# Altium PCB PCB_UDC_PlacaControle_V2.0.PcbDoc (part 3 of 7)
Units mm, origin at the board's own origin, x right, y up, seen from the top; angles counter-clockwise.
Board outline 161.76 x 100.25 mm, 6 copper layers (Top Layer, GND, Signal 1, Signal 2, VCC, Bottom Layer); 548 components, 515 nets, 2193 pads, 1225 vias.
Unrouted connection lines stored in the file: 7.
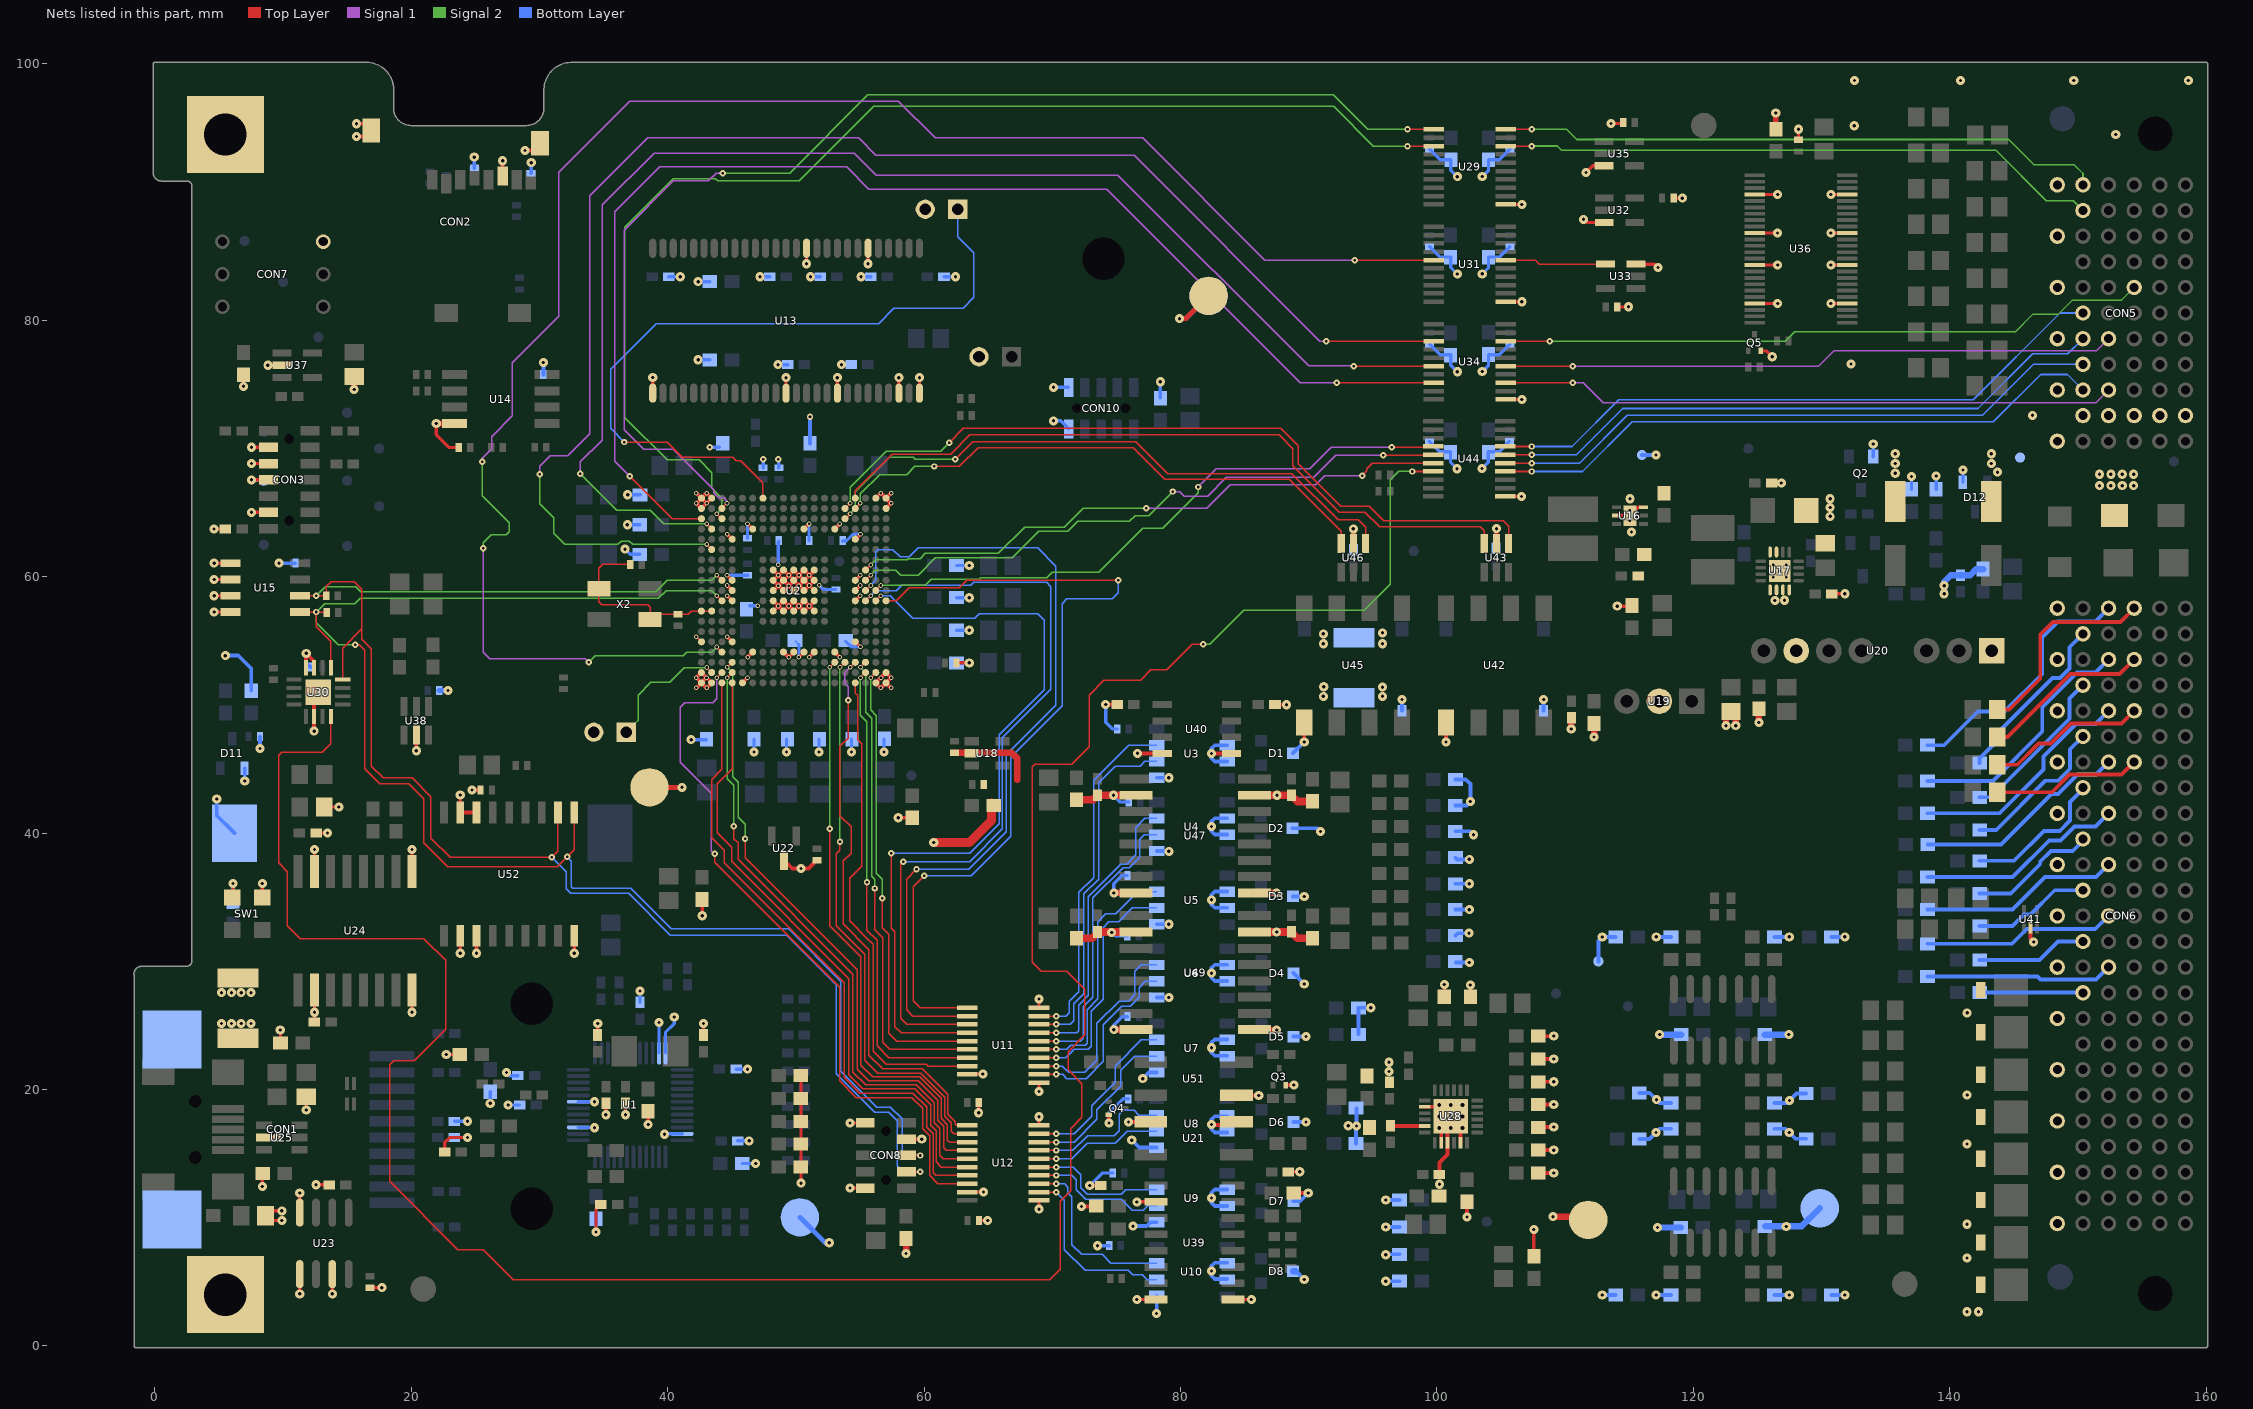
[diagram p7: the nets of this part, all layers, seen from the top]

## Via types
v1: diameter 0.711, hole 0.254, Top Layer to Bottom Layer, tented both sides, 600 vias
v2: diameter 0.5, hole 0.2, Top Layer to Bottom Layer, tented both sides, 404 vias
v3: diameter 0.36, hole 0.2, Top Layer to Bottom Layer, tented both sides, 212 vias
v4: diameter 0.5, hole 0.2, Top Layer to Bottom Layer, tented top, 5 vias
v5: diameter 0.5, hole 0.254, Top Layer to Bottom Layer, tented both sides, 2 vias
v6: diameter 0.5, hole 0.2, Top Layer to Bottom Layer, 2 vias

## Nets (pads, with @x,y where several pads share a name; then routed paths per layer and width w, separated by ;. In a path a pad name is that pad's centre, name@x,y a point inside that pad or via, vN(x,y) a via of type N, cw(c..) or ccw(c..) an arc to the next point about the centre after c; other vN are vias at no path point) (continued)
GND: BT1.- C1.1 C2.1 C3.1 C4.1 C5.1 C6.1 C7.1 C8.1 C9.1 C10.1 C11.1 C12.1 C13.1 C14.1 C15.1 C16.1 C17.1 C18.1 C23.1 C24.1 C29.1 C30.1 C35.1 C36.1 C41.1 C42.1 C43.1 C44.1 C45.1 C46.1 C47.1 C48.1 C49.1 C50.1 C51.1 C52.1 C53.1 C54.1 C55.1 C56.1 C57.1 C58.2 C59.2 C60.1 C61.1 C62.1 C63.1 C64.1 C65.1 C66.1 C67.1 C68.1 C69.1 C70.1 C75.1 C76.1 C77.1 C78.1 C79.1 C80.1 C81.1 C82.1 C83.1 C84.1 C85.1 C86.1 C87.1 C88.1 C89.1 C90.1 C91.1 C92.1 C93.1 C94.1 C95.1 C96.1 C97.1 C98.1 C99.1 C100.1 C101.1 C102.1 C103.1 C104.1 C105.1 C109.1 C110.1 C111.1 C117.1 C147.1 C148.1 C149.1 C150.1 C151.1 C152.1 C153.1 C154.1 C155.1 C156.1 C157.1 C158.1 C159.1 C160.1 C161.1 C162.1 C163.1 C164.1 C165.1 C166.1 C167.1 C168.1 C169.1 C172.1 C175.1 C177.1 C178.1 C179.1 C182.1 C183.1 C186.1 C187.1 C188.1 C189.1 C190.1 C191.1 C192.1 CON2.6 CON2.9 CON3.4 CON3.8 CON3.10 CON3.12 CON5.A10 CON5.B10 CON5.C10 CON5.D10 CON5.E10 CON5.Mec1 CON5.Mec2 CON5.Mec3 CON5.Mec4 CON5.Mec5 CON5.Mec6 CON7.6 CON8.1 CON8.4 CON8.9 CON9.2 CON10.9 CON10.10 CON11.2 D10.A D11.1 D12.1 pad.0@38.583,43.572 pad.0@50.317,10.033 pad.0@82.194,81.915 Q2.2 Q4.2 Q5.2 R16.2 R30.2 R31.2 R32.2 R33.2 R34.2 R35.2 R66.2 R70.2 R72.2 R81.2 R82.2 R144.2 R145.2 SW1.2 TP1.2 TP4.1 TP18.1 TP21.1 U1.15 U1.19 U1.35 U1.36 U1.47 U2.A1 U2.A2 U2.A15 U2.A18 U2.A19 U2.B1 U2.B19 U2.D6 U2.D8 U2.D9 U2.D10 U2.D11 U2.D14 U2.E4 U2.E16 U2.E19 U2.H8 U2.H9 U2.H10 U2.H11 U2.H12 U2.J4 U2.J8 U2.J9 U2.J10 U2.J11 U2.J12 U2.J16 U2.K4 U2.K8 U2.K9 U2.K10 U2.K11 U2.K12 U2.K16 U2.L4 U2.L8 U2.L9 U2.L10 U2.L11 U2.L12 U2.L16 U2.M8 U2.M9 U2.M10 U2.M11 U2.M12 U2.R4 U2.R16 U2.T6 U2.T9 U2.T14 U2.V1 U2.V19 U2.W1 U2.W2 U2.W18 U2.W19 U3.5 U4.5 U5.5 U6.5 U7.5 U8.5 U9.5 U10.5 U11.1 U11.10 U11.19 U12.1 U12.10 U12.19 U13.6 U13.12 U13.28 U13.41 U13.46 U13.52 U13.54 U14.4 U15.1 U15.2 U15.3 U15.4 U16.2 U16.6 U16.7 U17.5 U17.6 U17.7 U17.8 U17.15 U17.16 U17.17 U18.2 U20.1 U21.3 U22.3 U23.5 U23.7 U24.9 U24.15 U29.11 U30.6 U30.15 U30.16 U31.11 U32.3 U33.3 U34.11 U35.3 U36.4 U36.10 U36.15 U36.21 U36.28 U36.34 U36.39 U36.45 U37.2 U38.2 U39.2 U39.8 U40.4 U43.2 U44.11 U46.2 U47.2 U47.8 U49.2 U49.8 U52.2 U52.3 U52.9 U52.16 U52.17 | length 376.7
  Top Layer w0.102: v3(42.242,55.321) U2.E19@42.635,54.928
  Top Layer w0.254: v1(4.618,63.729) R82.2@5.507,63.729 ; v1(4.623,57.252) U15.4@5.911,57.252 ; v1(4.623,58.522) U15.3@5.911,58.522 ; v1(4.623,59.792) U15.2@5.911,59.792 ; v1(4.623,61.062) U15.1@5.911,61.062 ; SW1.2@6.096,35.031 v1(6.096,36.068) ; v1(7.544,65.024) CON3.4@8.875,65.024 ; v1(7.544,67.564) CON3.8@8.875,67.564 ; v1(7.544,68.834) CON3.10@8.875,68.834 ; v1(7.544,70.104) CON3.12@8.875,70.104 ; SW1.2@8.382,34.987 v1(8.382,36.068) ; v1(11.303,4.064) U23.5@11.303,5.601 ; U24.15@12.446,37.01 v1(12.446,38.735) ; C111.1@12.573,40.005 v1(13.462,40.005) ; C110.1@13.203,42.037 v1(14.351,42.037) ; v1(13.843,4.064) U23.7@13.843,5.601 ; C109.1@16.815,4.547 v1(17.704,4.547) ; U24.9@20.066,37.01 v1(20.066,38.735) ; v1(20.396,46.431) U38.2@20.396,47.65 ; v1(21.946,71.958) 21.946,71.095 22.962,70.079 R81.2@23.713,70.079 ; C3.1@22.606,15.113 22.606,15.875 22.987,16.256 v1(24.384,16.256) ; v1(22.733,22.733) R35.2@23.775,22.733 ; v1(34.417,8.89) 34.417,10.668 C4.1@34.798,11.049 ; C5.1@34.544,24.257 v1(34.544,25.146) ; v1(35.179,18.034) C13.1@35.179,18.923 ; v1(36.703,18.034) C12.1@36.703,18.923 ; v1(38.481,17.272) C11.1@38.481,18.314 ; U13.28@38.837,74.326 v1@38.837,75.52 ; v1(42.697,33.56) R144.2@42.697,34.799 ; C6.1@42.799,24.257 v1(42.799,25.146) ; v3@44.641,60.122 U2.L16@45.035,59.728 ; v3(46.228,64.135) U2.T14@46.635,63.728 ; U13.41@49.237,74.326 v1(49.237,75.534) ; v3(50.241,53.735) U2.D9@50.635,54.128 ; v1@50.393,12.472 R30.2@50.393,13.97 R31.2@50.393,15.748 R32.2@50.393,17.526 R33.2@50.393,19.304 R34.2@50.393,21.082 ; U2.T9@50.635,63.728 v3(51.029,64.121) ; v1(50.837,84.418) U13.12@50.837,85.626 ; U13.46@53.237,74.326 v1(53.237,75.534) ; v1(54.229,12.319) CON8.9@55.408,12.319 ; v1(54.229,17.399) CON8.1@55.408,17.399 ; U2.E4@54.635,54.928 55.029,54.534 v3(55.042,54.534) ; v1(55.637,84.418) U13.6@55.637,85.626 ; U13.52@58.037,74.326 v1(58.037,75.534) ; CON8.4@58.638,16.129 v1(59.817,16.129) ; U13.54@59.637,74.326 v1(59.637,75.534) ; C104.1@62.535,53.289 v1(63.525,53.289) ; U11.19@63.906,21.209 v1(64.584,21.209) ; U12.19@63.957,12.014 v1(64.635,12.014) ; v1(64.262,18.195) C41.1@64.262,18.872 ; C42.1@64.287,9.779 v1(64.965,9.779) ; v1(68.967,10.672) U12.1@68.967,11.35 ; U12.10@68.967,17.2 v1(68.967,17.877) ; v1(68.967,19.857) U11.1@68.967,20.534 ; U11.10@68.967,26.384 v1(68.967,27.062) ; v1(76.601,3.624) U39.8@78.084,3.624 ; v1@76.608,11.244 U39.2@78.084,11.244 ; U44.11@105.34,66.265 v1(106.604,66.265) ; U34.11@105.365,73.834 v1(106.629,73.834) ; U31.11@105.365,81.454 v1(106.629,81.454) ; U29.11@105.365,89.048 v1(106.629,89.048) ; v1(111.438,87.884) 111.677,87.645 U32.3@113.055,87.645 ; v1(111.633,91.542) 112.156,92.065 U35.3@113.03,92.065 ; v1(113.589,95.352) 114.427,95.352 C156.1@114.529,95.453 ; v1(114.071,57.709) 115.19,57.709 R145.2@115.24,57.759 ; C161.1@114.071,81.05 v1@114.95,81.05 ; v6(115.066,64.37) U16.7@115.066,64.77 115.716,65.42 U16.6@116.116,65.42 ; U33.3@115.545,84.388 116.984,84.388 v1(117.246,84.125) ; C162.1@118.491,89.535 v1(119.151,89.535) ; U36.34@124.79,86.819 v1(126.581,86.819) ; U36.45@124.797,81.319 v1(126.588,81.319) ; U36.39@124.797,84.319 v1(126.588,84.319) ; U36.28@124.797,89.814 v1(126.588,89.814) ; Q5.2@125.298,77.618 125.705,77.618 v1(126.162,77.161) ; C62.1@126.111,67.31 v1(126.873,67.31) ; C163.1@128.219,94.078 v1(128.219,94.91) ; v1(130.733,81.319) U36.4@131.997,81.319 ; v1(130.733,84.319) U36.10@131.997,84.319 ; v1(130.733,86.819) U36.15@131.997,86.819 ; v1(130.733,89.819) U36.21@131.997,89.819 ; C63.1@130.81,58.674 v1(131.826,58.674)
  Top Layer w0.3: v1(6.909,74.854) C166.1@6.909,75.769 ; v1(8.814,76.505) U37.2@9.906,76.505 ; U30.16@11.776,52.903 11.776,53.991 v1(11.811,54.026) 12.426,53.411 U30.15@12.426,52.903 ; v1(12.426,47.955) U30.6@12.426,49.103 U30.6@12.426,50.678 ; v1(15.723,94.336) 16.402,94.336 CON2.9@16.88,94.814 16.351,95.343 v1(15.723,95.343) ; v1(23.825,30.632) U52.2@23.825,32.005 ; v1(23.825,42.977) U52.17@23.825,41.605 U52.16@25.095,41.605 ; v1(24.74,43.377) 25.393,43.377 C186.1@25.4,43.383 ; v1(25.095,30.632) U52.3@25.095,32.005 ; v1(27.127,92.456) 27.127,91.267 CON2.6@27.13,91.264 ; v1(28.88,93.243) CON2.9@29.572,93.243 ; CON2.9@30.03,93.814 CON2.9@30.499,93.345 ; v1(32.715,30.632) U52.9@32.715,32.005 ; v3(42.242,51.335) U2.A19@42.635,51.728 42.242,52.121 v3(42.242,52.135) U2.B19@42.635,52.528 v3(43.028,52.135) U2.A19@42.635,51.742 ; v3(42.242,66.521) U2.W19@42.635,66.128 ; U2.V19@42.635,65.328 v3(42.242,65.721) U2.W19@42.635,66.114 ; U2.A19@42.648,51.728 v3(43.042,51.335) U2.A18@43.435,51.728 ; U2.V19@42.648,65.342 v3(43.042,65.735) ; v3@43.053,52.121 U2.A18@43.446,51.728 ; v3(44.642,55.321) U2.E16@45.035,54.928 ; v3(44.642,58.521) U2.J16@45.035,58.128 ; v3(44.642,59.321) U2.K16@45.035,58.928 ; v3(44.642,63.321) U2.R16@45.035,62.928 ; U2.A15@45.835,51.728 v3(46.228,52.121) ; v3(46.242,53.735) U2.D14@46.635,54.128 ; U2.J12@48.235,58.128 v3(48.642,57.722) ; U2.M12@48.235,60.528 v3(48.642,60.122) ; U2.H12@48.235,57.316 v3(48.642,57.722) ; U2.K12@48.236,58.903 v3(48.642,59.309) v3(49.455,60.121) ; U2.D11@49.035,54.128 49.428,53.735 v3(49.442,53.735) U2.D10@49.835,54.128 ; U2.H11@49.047,57.315 v3(48.642,57.722) ; U2.H11@49.048,57.315 v3(49.455,57.721) ; U22.3@49.073,37.887 49.723,37.236 v1(50.394,37.236) 50.978,37.236 C105.1@51.638,37.897 ; v3(49.455,57.721) U2.H10@49.86,57.314 ; v3(49.455,57.721) 49.048,58.127 v3(48.642,57.722) ; v3(49.455,60.121) 49.86,59.714 v3(49.454,59.309) U2.K10@49.86,58.902 ; v3(49.455,60.121) 49.048,60.527 v3(48.642,60.122) ; v3(49.455,57.721) U2.J10@49.861,58.127 ; v3(49.455,60.121) U2.M10@49.861,60.527 ; U2.H10@49.835,57.316 v3(50.242,57.722) ; U2.J10@49.835,58.128 v3(50.242,57.722) ; U2.M10@49.835,60.528 v3(50.242,60.122) ; U2.K10@49.836,58.903 v3(50.242,59.309) v3(51.055,60.121) 50.648,60.527 v3(50.242,60.122) ; U2.K9@50.635,58.916 v3(51.042,59.322) ; U2.L9@50.635,59.728 v3(51.042,59.322) ; U2.H9@50.647,57.315 v3(50.242,57.722) ; U2.K9@50.648,58.903 v3(50.242,59.309) 49.835,59.716 v3(50.242,60.122) ; U2.L9@50.647,59.715 v3(50.242,60.122) ; U2.H9@50.648,57.315 v3(51.055,57.721) 50.648,58.127 v3(50.242,57.722) ; v3(51.042,53.735) U2.D8@51.435,54.128 ; U2.K8@51.447,58.915 v3(51.042,59.322) ; U2.L8@51.448,59.727 v3(51.042,59.322) ; U2.H8@51.46,57.314 v3(51.055,57.721) U2.J8@51.461,58.127 ; U2.L8@51.46,59.714 v3(51.055,60.121) U2.M8@51.461,60.527 ; U2.D6@53.035,54.128 v3(53.428,53.735) ; U2.T6@53.035,63.728 v3(53.428,64.121) ; U2.J4@54.635,58.128 v3(55.028,58.521) ; U2.K4@54.635,58.928 v3(55.028,59.321) ; U2.L4@54.635,59.728 v3(55.028,60.121) ; U2.R4@54.674,62.954 v3@55.067,63.348 ; U2.A2@56.235,51.728 v3(56.628,51.335) U2.A1@57.021,51.728 ; U2.W2@56.235,66.128 v3(56.628,66.521) U2.W1@57.021,66.128 ; U2.A2@56.248,51.742 v3(56.642,52.135) U2.B1@57.035,52.528 ; U2.B1@57.035,52.514 v3(57.428,52.121) U2.A1@57.035,51.728 v3(57.428,51.335) ; U2.V1@57.035,65.328 v3(57.428,65.721) U2.W1@57.035,66.114 ; U2.W1@57.035,66.128 v3(57.428,66.521) ; v1(57.988,41.2) C90.1@59.08,41.2 ; v1(72.289,10.877) C168.1@73.396,10.877 ; v1(72.924,12.514) C169.1@73.759,12.514 ; v1(74.168,50.038) C172.1@75.057,50.038 ; v1@74.412,17.409 Q4.2@74.412,18.035 ; v1@75.95,17.473 U21.3@77.676,17.473 ; v1@76.653,46.212 U40.4@78.58,46.212 ; U46.2@93.488,62.586 v1(93.488,63.739) ; U43.2@104.648,62.586 v1(104.648,63.754) ; U16.2@114.016,64.77 U16.7@115.066,64.77 ; v3(43.042,65.735) 42.648,66.128 v3(43.042,66.521) U2.W18@43.435,66.128 v3(43.042,65.735) ; v3(48.642,60.122) v3(49.454,59.309) 49.048,58.903 v3(48.642,59.309) 48.235,59.716 v3(48.642,60.122)
  Top Layer w0.4: pad.0@38.583,43.572 v1(41.123,43.572) ; C69.1@65.447,42.164 C69.1@65.447,42.438 ; v1(79.934,80.137) 80.416,80.137 pad.0@82.194,81.915 ; C164.1@126.441,94.915 v1(126.441,96.179)
  Top Layer w0.5: v1(15.545,74.6) C165.1@15.545,75.621 ; v1(21.946,71.958) U14.4@23.375,71.958 ; v1(58.598,7.214) C188.1@58.598,8.383 ; C68.1@62.382,46.279 66.827,46.279 67.285,45.822 67.285,44.145 ; v1(74.803,24.67) U49.8@76.528,24.67 ; v1(74.803,35.338) U47.8@76.528,35.338
  Top Layer w0.6: C182.1@71.882,31.809 73.126,31.809 73.608,32.29 U49.2@76.528,32.29 ; C178.1@71.882,42.604 73.178,42.604 C179.1@73.533,42.958 v1(74.777,42.958) U47.2@76.528,42.958
  Top Layer w0.7: v1(60.757,39.268) 63.525,39.268 65.278,41.021 C69.1@65.278,42.367
  Bottom Layer w0.102: C98.1@43.001,47.296 C98.1@43.028,47.322 ; C88.1@49.935,55.016 C88.1@50.241,54.711
  Bottom Layer w0.254: C65.1@6.096,34.645 v1(6.096,36.068) ; v1(7.544,67.564) TP18.1@8.436,67.564 ; v1(9.685,61.062) C54.1@10.973,61.062 ; C2.1@23.368,16.256 v1(24.384,16.256) ; C1.1@23.368,17.526 v1(24.384,17.526) ; v1(26.162,18.923) C7.1@26.162,19.838 ; v1(27.432,21.336) 27.686,21.082 C9.1@28.321,21.082 ; v1(27.559,18.796) C8.1@28.448,18.796 ; U1.15@33.034,17.046 v1@34.262,17.046 ; U1.19@33.034,19.046 v1@34.286,19.046 ; v1(34.417,8.89) R16.2@34.417,9.932 ; v1(36.678,62.154) 37.083,61.749 C93.1@37.822,61.747 ; v1(36.855,64.06) C92.1@37.822,64.059 ; v1(36.881,66.396) C97.1@37.847,66.394 ; C15.1@37.846,26.797 v1(37.846,27.686) ; U1.35@39.334,22.846 v1(39.334,25.237) ; v1@39.787,16.546 U1.47@41.134,16.546 ; U1.36@39.834,22.846 39.834,24.467 40.513,25.146 v1(40.513,25.654) ; C51.1@40.093,83.405 v1(40.982,83.405) ; v1(41.834,47.296) C98.1@43.001,47.296 ; v1(42.379,76.928) C43.1@43.294,76.928 ; v1(42.379,83.024) C44.1@43.294,83.024 ; v3(44.628,60.122) C80.1@46.228,60.121 ; C10.1@45.339,21.59 v1(46.228,21.59) ; C16.1@45.466,16.002 v1(46.355,16.002) ; C14.1@45.821,14.224 v1(46.863,14.224) ; C86.1@46.228,62.992 v3(46.228,64.135) ; C89.1@46.407,57.734 v3(47.015,57.734) ; v1(46.735,46.33) C99.1@46.735,47.321 ; v1(47.205,83.405) C50.1@47.967,83.405 ; C84.1@47.447,68.504 v2(47.447,69.164) ; v1(48.602,76.547) C45.1@49.364,76.547 ; v3(48.628,60.935) C83.1@48.628,62.724 ; C82.1@48.667,68.504 v2@48.667,69.138 ; v1(49.275,46.33) C78.1@49.275,47.321 ; v3(50.241,53.735) C88.1@50.241,54.711 ; C81.1@51.029,62.789 v3(51.029,64.121) ; v1(51.142,83.405) C49.1@51.904,83.405 ; v1(51.801,46.33) C79.1@51.801,47.321 ; v3(51.828,59.334) 52.158,59.004 C85.1@53.137,59.004 ; C87.1@53.645,62.763 53.696,62.814 53.95,62.814 54.458,63.322 v3(55.042,63.322) ; C91.1@53.873,54.966 54.305,54.534 v3(55.042,54.534) ; v1(54.341,46.33) C77.1@54.341,47.321 ; v1(55.079,83.405) C48.1@55.841,83.405 ; v1(56.881,46.33) C95.1@56.881,47.321 ; C47.1@61.556,83.405 v1(62.445,83.405) ; C101.1@62.534,53.289 v1(63.525,53.289) ; C94.1@62.534,55.825 v1@63.525,55.825 ; C102.1@62.534,58.365 v1@63.525,58.365 ; C103.1@62.534,60.88 v1(63.525,60.88) ; v1(70.104,72.161) 70.648,72.161 CON10.9@71.272,71.537 ; v1(70.104,74.778) CON10.10@71.262,74.778 ; v1(72.924,12.514) 73.893,13.483 C35.1@74.727,13.483 ; v1(73.533,7.821) C36.1@74.447,7.821 ; v1(74.168,50.038) 74.168,48.64 74.675,48.133 C17.1@75.082,48.133 ; v1(74.422,17.399) 74.422,18.176 75.525,19.279 C30.1@75.921,19.279 ; v1(74.636,32.258) 74.906,31.988 C24.1@75.844,31.988 ; v1(74.777,42.958) 75.306,42.429 C18.1@75.971,42.429 ; v1(74.803,24.67) 74.803,25.024 75.465,25.686 C29.1@75.87,25.686 ; v1(74.803,35.338) 74.803,36.041 75.465,36.703 C23.1@75.87,36.703 ; C189.1@78.435,73.938 v1(78.435,75.209) ; C190.1@99.416,70.561 100.227,69.749 101.067,69.749 101.067,68.936 v1(101.575,68.428) ; C158.1@99.441,78.13 100.253,77.319 101.092,77.319 101.092,76.505 v1(101.6,75.997) ; C152.1@99.441,85.75 100.253,84.939 101.092,84.939 101.092,84.125 v1(101.6,83.617) ; C148.1@99.441,93.345 100.253,92.533 C147.1@101.092,92.533 101.092,91.719 v1(101.6,91.211) ; v1(103.518,68.44) 104.013,68.936 104.013,69.749 104.852,69.749 C191.1@105.664,70.561 ; v1(103.543,76.01) 104.038,76.505 104.038,77.319 104.878,77.319 C159.1@105.689,78.13 ; v1(103.543,83.629) 104.038,84.125 C154.1@104.038,84.939 104.878,84.939 C153.1@105.689,85.75 ; v1(103.543,91.224) 104.038,91.719 C150.1@104.038,92.533 104.878,92.533 C149.1@105.689,93.345 ; Q2.2@134.046,69.372 v1(134.046,70.358) ; C66.1@137.033,66.822 v1(137.033,67.818) ; R72.2@138.951,66.822 v1(138.951,67.865) ; D12.1@141.036,67.363 v1(141.036,68.326)
  Bottom Layer w0.3: v1(4.826,42.672) 4.826,41.388 BT1.-@6.209,40.005 ; v1(5.5,53.848) 6.502,53.848 7.518,52.832 R70.2@7.518,51.104 ; v1(7.01,44.069) D11.1@7.01,45.063 ; v1(8.204,46.609) C64.1@8.204,47.523 ; v1(11.811,54.026) 11.811,53.289 C155.1@12.141,52.959 ; C53.1@24.917,91.897 v1(24.917,92.735) ; R66.2@29.337,91.476 29.362,91.502 v1(29.362,92.304) ; C52.1@30.302,75.768 v1(30.302,76.708) ; C97.1@37.847,66.394 C97.1@37.847,66.394 ; v2(43.282,70.104) C96.1@43.994,70.104 ; C83.1@48.628,62.724 C83.1@48.667,62.763 ; C100.1@51.105,70.408 v2(51.105,72.492) ; v1(76.2,16.053) 76.784,15.469 U8.5@78.136,15.469 ; v1(76.302,9.347) 77.368,9.347 77.673,9.652 U9.5@78.149,9.652 ; v1(77.064,20.853) 77.546,21.336 U7.5@78.149,21.336 ; v1@78.149,2.553 U10.5@78.149,3.911 ; U6.5@78.149,27.178 v1(79.096,27.178) ; U5.5@78.149,32.893 v1@79.248,32.893 ; U4.5@78.149,38.608 79.248,38.608 79.223,38.583 v1(79.096,38.583) ; U3.5@78.149,44.323 v1@79.248,44.323 ; C177.1@93.488,62.121 v1(93.488,63.739) ; C175.1@104.602,62.23 104.602,63.708 v1(104.648,63.754) ; TP4.1@116.006,69.494 v1(117.098,69.494)
  Bottom Layer w0.4: C167.1@22.174,51.13 v1(22.86,51.13) ; pad.0@50.317,10.033 52.299,8.052 v1(52.603,8.052) ; v1(79.934,80.137) 80.416,80.137 pad.0@82.194,81.915
  Bottom Layer w0.5: v1(139.573,58.674) 139.573,59.612 140.081,60.12 C75.1@140.843,60.12 141.605,60.12 142.087,60.602 C76.1@142.621,60.602
  other v1: 78.136,2.54 76.601,11.238 50.393,12.7 39.751,16.51 34.29,17.018 75.946,17.469 34.29,19.05 5.207,27.559 5.969,27.559 6.731,27.559 7.493,27.559 79.096,32.893 79.096,44.323 76.653,46.228 91.149,54.778 95.758,54.778 91.149,55.547 95.758,55.626 63.525,55.825 126.365,58.15 127.127,58.166 63.525,58.365 139.573,59.309 115.189,63.5 130.683,64.713 130.683,65.405 115.066,66.091 130.683,66.091 151.689,67.107 152.578,67.107 153.467,67.107 154.356,67.107 151.689,67.996 152.578,67.996 153.467,67.996 154.356,67.996 135.763,68.072 143.736,68.163 135.763,68.834 143.256,68.834 135.763,69.596 143.256,69.596 146.46,72.593 38.837,75.54 53.555,76.547 132.309,76.606 114.96,81.06 152.959,94.5 132.563,95.184 132.58,98.704 140.843,98.704 149.682,98.704 158.623,98.704
  other v2: 48.642,69.164
  other v4: 126.246,59.952 127.246,59.952 126.746,60.452 126.246,60.952 127.246,60.952
  other v6: 115.066,65.17
"GND USB": C108.1 C112.1 C113.1 C114.1 C115.1 C117.2 L26.1 U23.4 U24.2 U24.8 U25.2 | length 12.5
  Top Layer w0.254: v1(8.382,12.446) C114.1@8.382,13.436 ; U25.2@8.531,16.256 v1(9.525,16.256) ; L26.1@9.012,9.779 v1(9.906,9.779) ; L26.1@9.012,10.541 v1(9.906,10.541) ; C112.1@9.805,23.622 v1@9.805,24.612 ; U23.4@11.303,10.401 v1(11.303,11.938) ; v1(11.811,18.415) C113.1@11.811,19.436 ; C115.1@12.446,25.273 v1(12.446,26.035) U24.2@12.446,27.76 ; v1(12.573,12.573) C108.1@13.589,12.573 ; v1(20.066,26.035) U24.8@20.066,27.76
  other v1: 9.779,24.638 5.207,25.146 5.969,25.146 6.731,25.146 7.493,25.146
GND_ISO: C19.1 C20.1 C21.1 C22.1 C25.1 C26.1 C27.1 C28.1 C31.1 C32.1 C33.1 C34.1 C37.1 C38.1 C39.1 C40.1 C67.2 C71.1 C72.1 C73.1 C74.1 C118.1 C119.1 C120.1 C121.1 C122.1 C123.2 C124.1 C125.1 C126.1 C127.1 C128.1 C129.2 C130.1 C131.1 C132.1 C133.1 C134.1 C135.1 C136.1 C137.1 C139.1 C140.1 C141.1 C142.1 C143.1 C144.1 C145.1 C146.1 C170.1 C171.1 C173.1 C174.1 C176.1 C180.1 C181.1 C184.1 C185.1 CON6.Mec1 CON6.Mec2 CON6.Mec3 CON6.Mec4 CON6.Mec5 CON6.Mec6 CON6.Mec7 CON6.Mec8 CON6.Mec9 CON6.Mec10 CON6.Mec11 CON6.Mec12 CON6.Mec13 D1.3 D2.3 D3.3 D4.3 D5.3 D6.3 D7.3 D8.3 D13.2 D14.2 D15.2 D16.2 D17.2 D18.2 D19.2 D20.2 pad.0@111.811,9.836 pad.0@129.87,10.744 Q3.2 R94.2 R95.2 R102.2 R103.2 R110.2 R111.2 R118.2 R119.2 R146.2 TP7.1 U3.2 U3.3 U4.2 U4.3 U5.2 U5.3 U6.2 U6.3 U7.2 U7.3 U8.2 U8.3 U9.2 U9.3 U10.2 U10.3 U19.2 U20.7 U21.2 U28.2 U28.3 U28.5 U28.20 U28.23 U28.25 U39.9 U40.5 U41.2 U42.5 U45.5 U47.9 U47.15 U49.9 U49.15 U51.3 | length 150.8
  Top Layer w0.254: U39.9@84.084,3.624 v1(85.529,3.624) ; R146.2@107.569,6.984 v1(107.569,9.087)
  Top Layer w0.3: v1@82.42,17.248 U21.2@84.38,17.248 ; v1(82.42,46.212) U40.5@83.98,46.212 ; U51.3@84.403,19.546 v1(86.106,19.546) ; C173.1@87.519,50.022 v1(88.265,50.022) ; Q3.2@88.219,20.352 v1(88.844,20.352) ; C170.1@88.406,13.585 v1(89.307,13.585) ; C171.1@88.844,11.934 v1(89.974,11.934) ; v1(89.662,47.117) U45.5@89.662,48.636 ; C145.1@96.412,17.156 U28.23@99.041,17.156 ; U28.20@99.041,18.656 U28.25@100.341,18.656 ; C141.1@100.203,13.619 100.203,14.304 100.841,14.942 U28.3@100.841,15.856 U28.25@100.841,17.656 ; U28.2@100.341,15.856 U28.25@100.341,17.156 ; C139.1@100.584,27.257 v1(100.584,28.194) ; v1(100.711,47.117) U42.5@100.711,48.633 ; U28.5@101.841,15.856 U28.25@101.841,17.156 ; v1(102.362,10.067) C118.1@102.362,11.236 ; C140.1@102.615,27.252 v1(102.615,28.164) ; C134.1@107.892,24.16 v1@109.061,24.16 ; C125.1@107.924,13.483 v1(109.12,13.483) ; C131.1@107.924,15.274 v1(109.12,15.274) ; C119.1@107.924,18.83 v1(109.12,18.83) ; C124.1@107.924,20.608 v1(109.12,20.608) ; C130.1@107.924,22.386 v1(109.12,22.386) ; C135.1@107.954,17.082 v1(109.12,17.082) ; U41.2@146.304,32.639 146.304,31.771 v1(146.558,31.517)
  Top Layer w0.5: U47.9@85.778,35.338 v1(87.503,35.338) ; U49.9@85.81,24.638 v1(87.503,24.638) ; v1(109.061,10.084) pad.0@111.563,10.084 ; v1(110.49,48.133) C73.1@110.49,48.997 ; v1(112.268,47.498) C74.1@112.268,48.556 ; v1(122.555,48.387) C71.1@122.555,49.105 ; v1(123.317,48.387) C71.1@123.317,49.111 ; v1(125.121,48.641) C72.1@125.121,49.699
  Top Layer w0.6: U49.15@85.778,32.29 v1(87.503,32.29) 88.633,32.29 89.115,31.808 C185.1@90.297,31.808 ; U47.15@85.778,42.958 v1(87.529,42.958) C180.1@88.646,42.958 89.128,42.477 C181.1@90.297,42.477
  Bottom Layer w0.3: U10.3@83.649,5.223 82.673,5.223 82.42,5.476 82.42,6.241 82.673,6.493 U10.2@83.649,6.493 ; U9.3@83.649,10.928 82.673,10.928 82.42,11.181 82.42,11.946 82.673,12.198 U9.2@83.649,12.198 ; U8.3@83.649,16.653 82.673,16.653 82.42,16.906 82.42,17.671 82.673,17.923 U8.2@83.649,17.923 ; U7.3@83.649,22.64 82.673,22.64 82.42,22.892 82.42,23.657 82.673,23.91 U7.2@83.649,23.91 ; U6.3@83.649,28.464 82.673,28.464 82.42,28.717 82.42,29.482 82.673,29.734 U6.2@83.649,29.734 ; U5.3@83.649,34.179 82.673,34.179 82.42,34.432 82.42,35.197 82.673,35.449 U5.2@83.649,35.449 ; U4.3@83.649,39.894 82.673,39.894 82.42,40.147 82.42,40.912 82.673,41.164 U4.2@83.649,41.164 ; U3.3@83.649,45.593 82.673,45.593 82.42,45.846 82.42,46.61 82.673,46.863 U3.2@83.649,46.863 ; D2.3@88.753,40.386 90.678,40.386 v1(90.932,40.132) ; D3.3@88.779,35.065 v1(89.662,35.065) ; D1.3@88.779,46.244 88.789,46.244 v1(89.662,47.117) ; D7.3@88.814,11.303 89.344,11.303 v1(89.974,11.934) ; D6.3@88.814,17.469 v1@89.785,17.469 ; D5.3@88.814,24.13 v1(89.789,24.13) ; D4.3@88.814,29.083 v1@89.662,28.235 ; D8.3@89.001,5.842 v1(89.662,5.181) ; C34.1@93.7,15.806 v1@93.7,17.13 ; v1(93.726,17.156) C32.1@93.726,18.52 ; C33.1@93.893,24.311 C31.1@93.893,26.379 v1(94.843,26.379) ; v1(96.012,5.049) C40.1@97.091,5.049 ; v1(96.012,9.284) C39.1@97.091,9.284 ; v1(96.012,11.386) C37.1@97.083,11.386 ; v1@96.049,7.149 C38.1@97.091,7.149 ; C176.1@97.282,49.547 v1(97.282,50.419) ; C27.1@101.441,34.036 v1(102.536,34.036) ; C20.1@101.441,40.147 102.601,40.147 v1(102.87,39.878) ; C21.1@101.441,42.164 102.303,42.164 v1(102.615,42.477) 102.615,43.825 102.261,44.18 C19.1@101.453,44.18 ; C26.1@101.453,32.004 101.647,32.198 v1(102.509,32.198) ; C25.1@101.453,36.052 v1(102.536,36.052) ; C22.1@101.453,38.084 101.58,37.957 v1(102.536,37.957) ; C28.1@101.508,29.91 v1(102.536,29.91) ; C174.1@108.331,49.547 v1(108.331,50.419) ; TP7.1@112.6,30 112.6,31.595 v1(112.903,31.898) 112.916,31.911 R118.2@113.945,31.911 ; v1(112.903,3.967) R94.2@113.945,3.967 ; R119.2@115.798,16.15 116.592,16.15 v1(117.098,16.656) 117.383,16.941 C137.1@118.263,16.941 ; R95.2@115.798,19.732 116.607,19.732 v1(117.128,19.211) 117.382,18.957 C121.1@118.267,18.957 ; v1(117.111,3.971) C120.1@118.263,3.971 ; v1(117.114,31.911) C136.1@118.267,31.911 ; C127.1@126.339,3.971 v1(127.491,3.971) ; C133.1@126.339,16.941 127.204,16.941 v1(127.489,16.656) 127.986,16.159 R111.2@128.804,16.159 ; C126.1@126.342,18.957 127.309,18.957 v1(127.508,19.156) 128.058,19.706 R102.2@128.804,19.706 ; C132.1@126.342,31.911 v1(127.495,31.911) ; R103.2@130.784,3.967 v1@131.822,3.967 ; R110.2@130.784,31.911 v1(131.83,31.911)